# Altium PCB SensoMonitor.PcbDoc (continued)
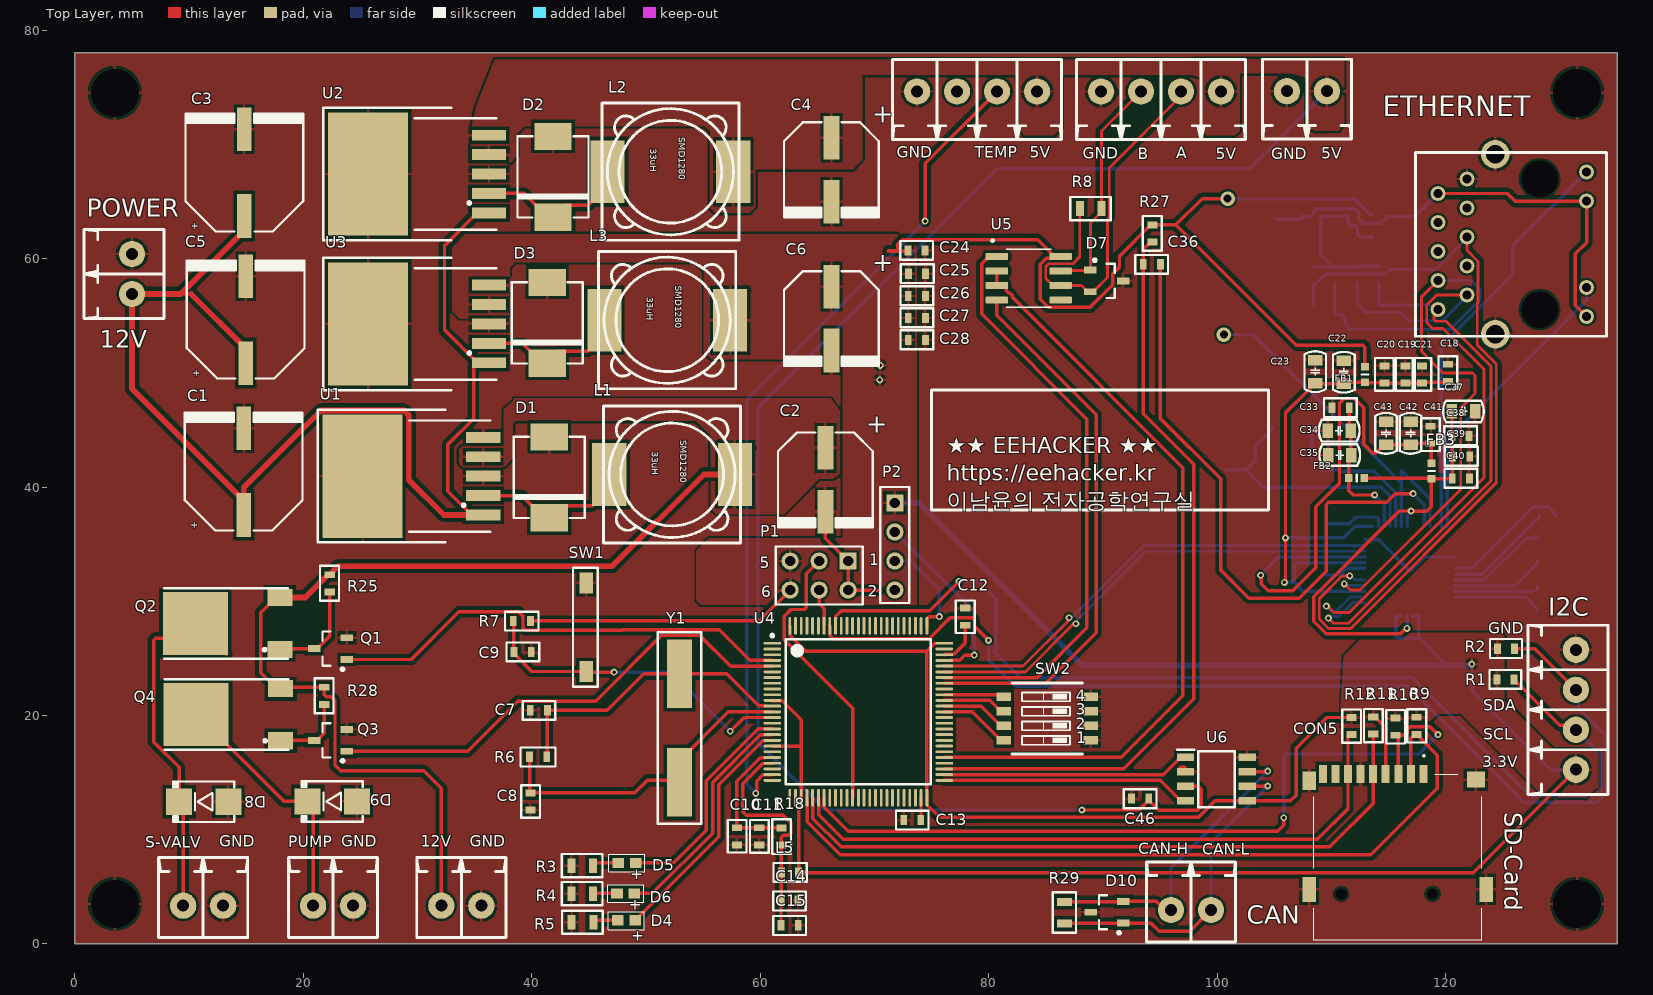
[diagram p0: Top Layer view]
## Footprints (in the part's own frame and the unit in brackets; to place one, negate y for a bottom-side part, rotate by r counter-clockwise, add the part's x,y. Pads: shape width x height; smd on the part's side, far side on the other; paste and mask are expansions set on the pad) (continued)
  oval 0.25x1.55 smd: 26(-6,-7.525) 27(-5.5,-7.525) 28(-5,-7.525) 29(-4.5,-7.525) 30(-4,-7.525) 31(-3.5,-7.525) 32(-3,-7.525) 33(-2.5,-7.525) 34(-2,-7.525) 35(-1.5,-7.525) 36(-1,-7.525) 37(-0.5,-7.525) 38(0,-7.525) 39(0.5,-7.525) 40(1,-7.525) 41(1.5,-7.525) 42(2,-7.525) 43(2.5,-7.525) 44(3,-7.525) 45(3.5,-7.525) 46(4,-7.525) 47(4.5,-7.525) 48(5,-7.525) 49(5.5,-7.525) 50(6,-7.525) 76(6,7.525) 77(5.5,7.525) 78(5,7.525) 79(4.5,7.525) 80(4,7.525) 81(3.5,7.525) 82(3,7.525) 83(2.5,7.525) 84(2,7.525) 85(1.5,7.525) 86(1,7.525) 87(0.5,7.525) 88(0,7.525) 89(-0.5,7.525) 90(-1,7.525) 91(-1.5,7.525) 92(-2,7.525) 93(-2.5,7.525) 94(-3,7.525) 95(-3.5,7.525) 96(-4,7.525) 97(-4.5,7.525) 98(-5,7.525) 99(-5.5,7.525) 100(-6,7.525)
  silkscreen extent -7.65,-6.35 6.35,6.8, body extent -7,-7 7,7, height 1.6
SW_TACT1 [mm]
  rect 1.8x1.2 smd: 1(-3.875,0) 2(3.875,0)
  silkscreen extent -5.21,-1.02 5.21,1.14, body extent -3.81,-1.65 3.81,1.78, height 2.55
XTAL_SMD_8M [mm]
  rect 6x2.2 smd: 1(-4.75,0) 2(4.75,0)
  silkscreen extent -8.38,-1.91 8.38,1.91, body extent -6.15,-2.32 6.15,2.38, height 4.36

## Part data
5V 12V POWER: library part CON2P_ECH350V, "Connector, Terminal block 2p_ECH350V"
C1 C3 C5: library part Cap470u_25V, "Capacitor, 470uF / 25V / 10PI / SMD, 10mm", PackageReference=CAPR5-4X5, Published=23-Sep-2002, Publisher="Altium Limited"
C2 C4 C6: library part Cap470u_16V, "Capacitor, 470uF / 25V / 8PI / SMD, 8mm", PackageReference=CAPR5-4X5, Published=23-Sep-2002, Publisher="Altium Limited"
C7 C8: library part CAP22p_0603_ceramic
C9 C11 C15: library part CAP0.1u_0603_ceramic
C10 C14: library part CAP1u_0603_ceramic
C12 C13: library part CAP2.2u_0603, "CAP2.2u_0603"
C16: library part CAP2.2u_0603, "CAP4.7u_0603"
C17: library part CAP2.2u_0603, "CAP22n_0603"
C18 C19 C20 C21 C24 C25 C26 C27 C28 C33 C36 C38 C39 C40 C41 C46: library part CAP0.1u_0603_ceramic, "cap, 0.1u 0603, 50V"
C22 C34 C37 C42: library part Cap1_1, "Capacitor, ceramic, 50V, 0805"
C23 C35 C43: library part Cap1_1, "Capacitor, ceramic, 50V, 1206"
C29 C30 C31 C32: library part CAP2.2u_0603, "CAP15pF_0603"
C44 C45: library part CAP33p_0603, "CAP33p_0603,ceramic"
CAN GND GND: library part CON2P_ECH350V, "Header box, Header2x1_ECH350V"
CON1 CON4 I2C: library part CON4P_ECH350V, "Connector, Terminal block 4p_ECH350V"
CON5: "MicroSD Card Connector"
D1 D2 D3: library part DIODE_SK56C, "Schottky Barrier Rectifier SK56C"
D4: library part LED0603_BLUE
D5 D6: library part LED0603_GREEN
D7 D10: "SM712 Series 600W Asymmetrical TVS Diode Array"
D8 D9: "Schottky Barrier Rectifiers"
ETHERNET: library part [RJ45]24G-1835GYD2NL, "[RJ-45] 24G-1835GYD2NL"
FB1 FB2 FB3: "Ferrite Bead, BLM18PG221SN1D, 0603", Manufacturer_Name="Murata Electronics", Mouser Part Number=81-BLM18PG221SN1D, Arrow Part Number=BLM18PG221SN1D, Arrow Price/Stock=https://www.arrow.com/en/products/blm18pg221sn1d/murata-manufacturing?region=europe, Datasheet Link=http://www.murata.com/~/media/webrenewal/support/library/catalog/products/emc/emifil/c31e.ashx?la=en-gb, Height=0.95mm, Manufacturer_Part_Number=BLM18PG221SN1D, Mouser Price/Stock=https://www.mouser.co.uk/ProductDetail/Murata-Electronics/BLM18PG221SN1D?qs=uSeJpk%2F8In3JS43lpC2ejg%3D%3D
IC1: "Integrated Circuit, LAN9500AI-ABZJ, Microchip", Manufacturer_Name=Microchip, Mouser Part Number=886-LAN9500AI-ABZJ, Arrow Part Number=LAN9500AI-ABZJ, Arrow Price/Stock=https://www.arrow.com/en/products/lan9500ai-abzj/microchip-technology?region=europe, Datasheet Link=https://componentsearchengine.com/Datasheets/1/LAN9500AI-ABZJ.pdf, Height=1mm, Manufacturer_Part_Number=LAN9500AI-ABZJ, Mouser Price/Stock=https://www.mouser.co.uk/ProductDetail/Microchip-Technology/LAN9500AI-ABZJ?qs=pA5MXup5wxF%2F3MeNLOF5Rg%3D%3D
L1 L2 L3: library part IND33uCoil, "12.5mmX12.5mmX8.0mm smd Inductor, Hanam electornic."
L4: library part IND10uCoil, "10uH(2012)"
L5: library part FerriteBD1608_102, "FCM1608KF-102T02, 200mA 1 700mΩ 1kΩ@100MHz ±25% 0603 Ferrite Beads ROHS", Manufacturer="Tai Tech", Manufacturer Part Number=FCM1608KF-102T02, Supplier Part Number 1=4816-FCM1608KF-102T02CT-ND, Category="Ferrite Beads and Chips", Pricing 1="1=0.1, 10=0.025, 25=0.0224, 50=0.0202, 100=0.0182, 250=0.01332, 500=0.0097, 1000=0.00949 (USD)", RoHS=No, Stock 1=15000, Supplier 1=Digikey
P1: library part HEADER3X2, "header 3x2"
P2: library part HEADER4X1
Q1 Q3: library part NPN_KRC105S
Q2 Q4: library part P-MOSFET_AOD417
R1 R2: library part RES4.7k_0603
R3 R4 R5: library part RES1K_0805, "resistor 1k 0805"
R6: library part RES10M_0603
R7 R9 R10 R11 R12: library part RES10K_0603
R8 R29: library part RES120_0805
R13: library part RES20K, "RES10_0603"
R14 R15 R16 R17: library part RES20K, "RES49.9_0603"
R18: library part RES47_0603, "RES47_0603"
R19 R20 R21 R22 R23 R27: library part RES20K, "RES10K_0603"
R24 R26: library part RES20K, "RES12K_0603,1%"
R25 R28: "RES20K_0603"
SW1: library part SW_TACT1, "NW3-A06-B3"
SW2: "Switch"
U1 U2 U3: "LM2596 SIMPLE SWITCHER® Power Converter 150-kHz  3-A Step-Down Voltage Regulator"
U4: library part CMP-0243-00034-2, "ARM Cortex-M4 32-bit MCU+FPU, 210 DMIPS, 1024 kB Flash, 192 kB Internal RAM, 82 I/Os, 100-pin LQFP, -40 to 85 degC, Tray", I/Os (High Current)=82, Manufacturer=STMicroelectronics, Operating Frequency(F) (Processor speed) (MHz)=168, Supply Voltage(Vcc) max (V)=3.6, Supply Voltage(Vcc) min (V)=1.8, ComponentLink1Description="Manufacturer URL", ComponentLink1URL=http://www.st.com/web/en/home.html, ComponentLink2Description=Datasheet, ComponentLink2URL=http://www.st.com/st-web-ui/static/active/en/resource/technical/document/datasheet/DM00037051.pdf, ComponentLink3Description="Package Specification", ComponentLink3URL=http://www.st.com/st-web-ui/static/active/en/resource/technical/document/data_brief/DM00071938.pdf, Core="ARM Cortex-M4", D/A Converter=2x12-bit, DatasheetVersion="Rev. 4", FLASH Size (Prog) (kB)=1024, Internal RAM Size (kB)=192, Mounting Technology="Surface Mount", PackageDescription="100-Pin Low Profile Quad Flat Package, 14 x 14 mm Body, 0.5 mm Pitch", PackageReference=LQFP100, PackageVersion="Rev. 1, 06/2013", Packing=Tray, PartNumber=STM32F407VGT6J
U5: library part RS485_Transciver_SN65HVD12DR
U6: library part [CAN]MCP2562, "CAN Transceiver, SOIC127P600X175-8N, MCP2562-E/SN"
Y1 Y2: library part XTAL8M

## Free pads (board coordinates)
  round 1.524 hole 4.2: 4(3.5,3.5) 5(3.5,74.5) 6(131.5,74.5) 7(131.5,3.5)

## Via types
v1: diameter 0.6, hole 0.3, Top Layer to Bottom Layer, 29 vias
v2: diameter 1.27, hole 0.711, Top Layer to Bottom Layer, 2 vias

## Nets (pads, with @x,y where several pads share a name; then routed paths per layer and width w, separated by ;. In a path a pad name is that pad's centre, name@x,y a point inside that pad or via, vN(x,y) a via of type N, cw(c..) or ccw(c..) an arc to the next point about the centre after c; other vN are vias at no path point)
3V3: C6.1 C24.2 C25.2 C26.2 C27.2 C28.2 CON5.4 FB1.1 I2C.1 IC1.20 IC1.25 IC1.35 IC1.48 IC1.49 IC1.51 IC1.52 L3.1 L4.2 L5.1 P1.5 P1.6 P2.1 R1.2 R2.2 R7.2 R9.2 R10.2 R11.2 R12.2 R19.2 R20.2 R21.2 R22.2 R23.2 R27.1 U3.4 U4.11 U4.19 U4.28 U4.50 U4.75 U4.100 U5.8 U6.5 | length 403.7
  Top Layer w0.3: U3.4 U3.4@37.275,55.975 ; R7.2 59.905,28.275 P1.6 ; L3.1 57.35,55.85 L3.1@58.7,57.2 ; U4.19 63.56,17.32 63.58,17.3 ; U4.11 61.08,21.295 61.902,21.295 63.58,19.617 63.58,17.3 ; U4.100 62.605,27.82 62.605,26.998 63.987,25.617 74.58,25.617 ; C24.2 72.875,60.65 71.175,60.65 71.225,60.7 71.899,60.7 72.025,60.826 72.025,61.245 72.43,61.65 84.27,61.65 85.459,60.461 85.459,60.33 85.609,60.18 U5.8 86.144,60.03 85.042,60.03 84.509,59.497 84.509,56.419 85.208,55.72 88.859,55.72 90.856,57.717 90.856,58.674 91.444,59.262 91.444,60.219 94.175,62.95 R27.1 96.375,62.95 ; 75.283,26.32 74.58,25.617 ; v2(100.9,65.25) 98.675,65.25 96.375,62.95 ; R12.2 109.575,19.825 106.9,17.15 106.9,13.025 106.395,12.52 U6.5 99.802,12.52 98.357,11.075 75.7,11.075 74.58,12.195 U4.50 74.58,25.617 ; FB1.1 112.925,52.224 112.749,52.4 106.925,52.4 96.375,62.95 ; R11.2@113.625,19.85 R11.2 113.8,19.875 114.745,18.93 CON5.4 ; R10.2@115.45,19.775 R10.2 R10.2@115.75,19.775 ; R9.2@117.3,19.85 R9.2 ; I2C.1 122.399,6.249 L5.1 63.35,11.743 63.555,11.948 63.555,12.77 U4.28 63.58,17.3
  Bottom Layer w0.3: v2(100.575,53.35) 103.128,53.35 116.125,40.353 ; v2(100.9,65.25) 112.013,65.25 113.372,63.891 L4.2 ; IC1.51 IC1.52 115.625,26.975 115.85,26.75 117.683,26.75 ; IC1.20 116.125,40.353 ; IC1.49 IC1.48 117.625,26.85 119.975,24.5 ; IC1.25 118.625,38.958 116.125,41.458 116.125,40.353 ; 120.005,24.5 v1(122.275,24.5) ; IC1.35 122.279,32.875 127.675,38.271 128.979,38.271 129.629,37.621 R23.2 ; v1@122.319,24.375 122.332,24.361 122.332,22.118 129.2,15.25 I2C.1
  Bottom Layer w0.5: P2.1 73.945,38.605 88.175,24.375 122.123,24.375 122.229,24.481 v1@122.248,24.481
  other v1: 70.45,49.375 70.5,50.65
3V3_RJ45: C17.2 ETHERNET.L1 ETHERNET.L3 ETHERNET.R9 R13.2 | length 41.1
  Top Layer w0.3: ETHERNET.R9 125.389,65.695 126.069,65.015 132.31,65.015 ETHERNET.L3 132.33,61.408 131.33,60.408 131.33,55.925 ETHERNET.L1
  Bottom Layer w0.3: C17.2 107.45,63.425 R13.2 ; R13.2@107.404,63.725 107.554,63.575 107.554,63.679 108.228,63.679 108.404,63.855 108.404,64.124 108.655,64.375 112.045,64.375 112.407,64.012 112.407,63.446 112.77,63.084 114.33,63.084 114.925,63.679 117.304,63.679 ETHERNET.R9
3V3A: C16.2 L4.1 R13.1 R14.1 R15.1 R16.1 R17.1 | length 16.8
  Bottom Layer w0.3: R17.1 108.413,59.263 110.263,59.263 R16.1 R16.1@110.288,59.287 ; L4.1 112.516,61.859 112.28,62.095 112.28,62.639 112.045,62.875 111.626,62.875 111.45,63.051 C16.2 109.204,63.725 109.054,63.575 R13.1 109.054,60.346 110.113,59.287 R16.1@110.288,59.287 ; R14.1 114.163,59.313 112.263,59.313 R15.1 112.237,59.287 R16.1@110.288,59.287
5V: 5V.1 C4.1 C46.2 CON1.1 CON4.1 L2.1 U2.4 U6.3 | length 137.1
  Top Layer w0.3: L2.1 L2.1@57.625,68.85 ; v1(88.15,11.725) 93.15,11.725 C46.2@94,12.575 ; C46.2 C46.2@94,12.575 ; U6.3 98.335,13.79 98.6,13.525 98.6,12.025 98.275,11.7 94.875,11.7 C46.2@94,12.575
  Bottom Layer w0.3: v1(88.15,11.725) 65.675,11.725 59.796,17.604 59.796,46.921 80.75,67.875 102.825,67.875 5V.1
12V: 12V.1 C2.1 L1.1 Q2.S Q4.S R25.1 R28.1 U1.4 | length 92
  Top Layer w0.3: Q2.S 17.6,30.335 16.275,29.01 16.275,23.735 17.65,22.36 Q4.S 18.115,22.475 R28.1 21.825,21.801 22.001,21.625 22.42,21.625 22.766,21.279 22.766,15.66 23.258,15.167 30.533,15.167 32.075,13.625 12V.1 ; R25.1@22.15,32.325 22.45,32.325 22.6,32.475 22.6,32.625 ; U1.4 U1.4@36.775,42.65 ; L1.1@56.425,43.7 57.775,42.35 L1.1@57.775,42.075 ; L1.1 L1.1@57.775,42.075 ; L1.1@59.125,43.425 L1.1@57.775,42.075
  Top Layer w0.5: Q2.S 20.16,30.335 R25.1@22.15,32.325 ; 22.6,32.625 23.05,33.075 47.045,33.075 55.07,41.1 L1.1
BOOT0: P1.4 U4.94 | length 3.3
  Top Layer w0.3: P1.4 65.15,29.765 65.58,29.335 U4.94
BOOT1: P1.3 U4.37 | length 25.2
  Top Layer w0.3: P1.3 64.025,32.395 64.025,29.451 63.849,29.275 62.688,29.275 62.105,28.692 62.105,28.03 62.08,28.005 62.08,26.617 68.08,20.617 U4.37
CAN2_RX: U4.51 U6.4 | length 21.9
  Top Layer w0.3: U4.51 95,14.32 96.8,12.52 U6.4
CAN2_TX: U4.52 U6.1 | length 21.7
  Top Layer w0.3: U4.52 95.29,14.82 96.8,16.33 U6.1
CAN-H: CAN.1 D10.2 R29.2 U6.7 | length 27.1
  Top Layer w0.3: R29.2 86.646,3.704 91.76,3.704 D10.2 94.659,3.725 95.409,2.975 CAN.1 ; U6.7 102.657,15.092 104.393,15.092 v1(104.425,15.125)
  Bottom Layer w0.3: CAN.1 95.95,6.65 v1(104.425,15.125)
CAN-L: CAN.2 D10.1 R29.1 U6.6 | length 28.6
  Top Layer w0.3: R29.1 86.646,1.804 91.76,1.804 D10.1 94.201,1.825 94.926,1.1 97.575,1.1 CAN.2 ; U6.6 102.642,13.808 104.408,13.808 v1(104.425,13.825)
  Bottom Layer w0.3: CAN.2 99.45,8.85 v1(104.425,13.825)
DIR: U4.55 U5.2 U5.3 | length 67.5
  Top Layer w0.3: U4.55 76.13,16.345 91.595,16.345 96.975,21.725 96.975,41.7 82.041,56.634 82.041,56.771 81.792,57.02 81.715,57.02 81.539,57.196 81.539,57.49 81.389,57.64 U5.3 U5.2
ETH_RESET: C36.1 R27.2 U4.53 | length 66.6
  Top Layer w0.3: U4.53 91.82,15.32 97.95,21.45 97.95,42 93.525,46.425 C36.1 93.525,60.8 94.175,61.45 R27.2
GND: 5V.2 12V.2 C1.2 C2.2 C3.2 C4.2 C5.2 C6.2 C7.1 C8.1 C9.1 C10.1 C11.1 C12.1 C13.1 C14.2 C15.2 C16.1 C17.1 C18.1 C19.1 C20.1 C21.1 C22.2 C23.2 C24.1 C25.1 C26.1 C27.1 C28.1 C29.1 C30.1 C31.1 C32.1 C33.1 C34.2 C35.2 C37.2 C38.1 C39.1 C40.1 C41.1 C42.2 C43.2 C44.1 C45.1 C46.1 CON1.4 CON4.4 CON5.6 CON5.MP1 CON5.MP2 CON5.MP3 CON5.MP4 D1.1 D2.1 D3.1 D7.3 D8.A D9.A D10.3 ETHERNET.R10 ETHERNET.S GND.2 I2C.4 IC1.13 IC1.33 IC1.57 P1.1 P1.2 P2.4 pad.4 pad.5 pad.6 pad.7 POWER.2 Q1.E Q3.E R3.1 R4.1 R5.1 R24.1 R26.1 SW1.2 SW2.1 SW2.2 SW2.3 SW2.4 U1.3 U1.5 U2.3 U2.5 U3.3 U3.5 U4.10 U4.20 U4.27 U4.74 U4.99 U5.5 U6.2 U6.8 | length 20.4
  Top Layer w0.3: C2.2 65.7,35.51 P1.1 P1.2 67.712,30.957 70.377,30.957 70.4,30.935 ; 96.75,15.455 97.175,15.455
  Bottom Layer w0.3: IC1.13 114.125,35.375 IC1.57 118.125,33.875 IC1.33
I2C1_SCL: I2C.2 R1.1 U4.92 | length 92.7
  Top Layer w0.3: U4.92@66.605,28.47 66.605,28.692 67.088,29.175 74.825,29.175 v1(77.4,31.75) ; R1.1 125.975,23 126.125,22.85 126.275,22.85 129.992,19.133 131.017,19.133 I2C.2
  Bottom Layer w0.3: v1(77.4,31.75) 79.075,31.75 80.625,30.2 80.625,25.45 82.775,23.3 117.1,23.3 127.425,12.975 133.075,12.975 133.55,13.45 133.55,16.6 I2C.2
I2C1_SDA: I2C.3 R2.1 U4.93 | length 95
  Top Layer w0.3: U4.93 66.105,27.82 66.105,26.998 66.383,26.72 74.777,26.72 76.607,28.55 78.545,28.55 78.75,28.345 78.75,27.8 v1(79.975,26.575) ; R2.1 127.8,25.85 I2C.3
  Bottom Layer w0.3: v1(79.975,26.575) 79.975,24.875 82.3,22.55 116.7,22.55 126.85,12.4 133.207,12.4 134.05,13.243 134.05,18.221 131.621,20.65 131.621,22.029 I2C.3
ID1: SW2.8 U4.63 | length 6.2
  Top Layer w0.3: U4.63 78.555,20.32 81.05,17.825 SW2.8
ID2: SW2.7 U4.64 | length 5.9
  Top Layer w0.3: U4.64 79.325,20.82 81.05,19.095 SW2.7
ID3: SW2.6 U4.65 | length 5.6
  Top Layer w0.3: U4.65 80.095,21.32 81.05,20.365 SW2.6
ID4: SW2.5 U4.66 | length 5.3
  Top Layer w0.3: U4.66 81.12,21.82 SW2.5
LED_LINK: ETHERNET.L4 IC1.27 | length 36.3
  Bottom Layer w0.3: IC1.27 119.625,52.353 125.882,58.61 125.882,61.127 ETHERNET.L4
LED_RDY: D5.A U4.16 | length 19.4
  Top Layer w0.3: D5.A 52.425,7.1 55.275,9.95 55.275,14.289 59.486,18.5 59.806,18.82 U4.16
LED_RX: D4.A U4.18 | length 20.6
  Top Layer w0.3: D4.A 49.098,2.075 49.393,2.37 49.393,2.433 56.35,9.39 56.35,13.95 60.195,17.795 U4.18@60.43,17.795
LED_SPD: ETHERNET.L2 IC1.28 | length 25.9
  Bottom Layer w0.3: IC1.28 120.125,44.134 132.33,56.339 ETHERNET.L2
LED_TX: D6.A U4.17 | length 20.4
  Top Layer w0.3: D6.A 50.55,4.425 55.825,9.7 55.825,14.132 59.988,18.295 60.43,18.295 60.455,18.32 U4.17
NetC7_2: C7.2 R6.2 U4.12 Y1.2 | length 25.7
  Top Layer w0.3: R6.2 41.333,16.407 41.333,20.427 C7.2 46.61,20.46 49.8,23.65 Y1.2 57.05,23.65 59.855,20.845 U4.12@60.43,20.845
NetC8_2: C8.2 R6.1 U4.13 Y1.1 | length 28.6
  Top Layer w0.3: R6.1 39.8,13.3 C8.2 49.025,13.225 50.125,14.325 52.75,14.325 Y1.1 52.925,16.05 57.195,20.32 U4.13
NetC12_2: C12.2 U4.73 | length 3.8
  Top Layer w0.3: U4.73 76.13,25.345 76.952,25.345 77.95,26.343 C12.2
NetC13_2: C13.2 U4.49 | length 2
  Top Layer w0.3: C13.2 74.065,10.865 74.065,12.78 U4.49
NetC14_1: C14.1 C15.1 L5.2 R18.1 U4.22 | length 20
  Top Layer w0.3: U4.22 61.03,15.795 60.208,15.795 58.45,14.037 58.45,11.575 58.775,11.25 61.995,11.25 62.65,10.595 62.65,9.705 62.445,9.5 62.026,9.5 61.85,9.324 R18.1 L5.2 61.825,6.224 61.825,3.8 C14.1 61.813,3.762 61.813,1.637 C15.1
NetC36_2: C36.2 IC1.24 | length 57.3
  Top Layer w0.3: C36.2 95.025,46 100.315,40.71 100.315,32.735 102.775,30.275 107.175,30.275 109.525,32.625 109.525,38.449 109.726,38.65 114.825,38.65 115.575,39.4 117.125,39.4 v1(117.15,39.425)
  Bottom Layer w0.3: v1(117.15,39.425) 118.125,38.45 IC1.24
NetC44_2: C44.2 IC1.18 Y2.1 | length 22.7
  Bottom Layer w0.3: Y2.1@100.733,41.5 Y2.1@102.483,41.5 ; C44.2 104.8,45.075 103.333,43.608 103.333,42.35 Y2.1@102.483,41.5 ; IC1.18 115.125,39.225 114.375,39.975 104.008,39.975 Y2.1@102.483,41.5
NetC45_2: C45.2 IC1.19 Y2.2 | length 14.3
  Bottom Layer w0.3: C45.2 108.275,42.35 109.125,41.5 110.733,41.5 110.865,41.368 113.757,41.368 115.625,39.5 IC1.19
NetCON6_1: D8.K GND.1@9.475,3.35 Q2.D | length 28.7
  Top Layer w0.3: GND.1@9.475,3.35 9.475,12.091 D8.K 9.116,15.464 6.9,17.68 6.9,26.601 7.076,26.776 9.276,26.776 Q2.D ; Q2.D@13.25,25.35 Q2.D@13.25,25.45
NetCON8_1: D9.K GND.1@20.85,3.35 Q4.D | length 22.7
  Top Layer w0.3: Q4.D@10.924,19.751 Q4.D 10.7,20.075 18.3,12.475 D9.K 20.85,11.991 GND.1@20.85,3.35
NetD1_2: D1.2 L1.2 U1.2 | length 14.1
  Top Layer w0.3: U1.2 39.138,39.25 41.078,37.31 D1.2 42.567,38.352 45.277,38.352 46.775,39.85 L1.2
NetD2_2: D2.2 L2.2 U2.2 | length 13.6
  Top Layer w0.3: U2.2 39.313,65.7 41.403,63.61 D2.2 42.891,64.652 44.927,64.652 46.625,66.35 L2.2
NetD3_2: D3.2 L3.2 U3.2 | length 13.1
  Top Layer w0.3: U3.2 39.163,52.575 40.903,50.835 D3.2 42.392,51.877 44.876,51.877 46.35,53.35 L3.2
NetD4_K: D4.K R5.2 | length 2.2
  Top Layer w0.3: R5.2 45.55,2.075 D4.K
NetD5_K: D5.K R3.2 | length 2.3
  Top Layer w0.3: R3.2 45.35,6.9 45.55,7.1 D5.K
NetD6_K: D6.K R4.2 | length 2.1
  Top Layer w0.3: R4.2 45.375,4.425 D6.K
NetIC1_8: IC1.8 R26.2 | length 3.9
  Bottom Layer w0.3: R26.2 110.738,32.3 111.313,32.875 IC1.8
NetIC1_16: IC1.16 R24.2 | length 5.4
  Bottom Layer w0.3: R24.2 111.572,36.775 112.172,37.375 113.92,37.375 114.125,37.17 IC1.16
NetIC1_36: IC1.36 R23.1 | length 9.5
  Bottom Layer w0.3: IC1.36 123.183,32.375 128.129,37.321 R23.1
NetIC1_37: IC1.37 R22.1 | length 8.7
  Bottom Layer w0.3: IC1.37 123.39,31.875 127.036,35.521 R22.1
NetIC1_38: IC1.38 R21.1 | length 8.2
  Bottom Layer w0.3: IC1.38 126.083,31.375 128.054,33.346 R21.1
NetIC1_39: IC1.39 R20.1 | length 7.5
  Bottom Layer w0.3: IC1.39 127.708,30.875 128.004,31.171 R20.1
NetIC1_40: IC1.40 R19.1 | length 7.7
  Bottom Layer w0.3: IC1.40 127,30.375 127.979,29.396 R19.1
NetP2_2: P2.2 U4.72 | length 15.8
  Top Layer w0.3: U4.72@76.73,24.845 77.469,24.845 77.904,25.28 v1(78.725,25.28)
  Bottom Layer w0.3: P2.2 78.725,29.115 v1(78.725,25.28)
NetP2_3: P2.3 U4.76 | length 9.1
  Top Layer w0.3: U4.76 74.58,28.474 74.756,28.65 v1(75.675,28.65)
  Bottom Layer w0.3: P2.3 73.15,33.525 75.675,31 v1(75.675,28.65)
NetQ1_C: Q1.C Q2.G R25.2 | length 8.7
  Top Layer w0.3: Q2.G 18.035,25.85 Q1.C 21.194,25.85 22.3,26.956 R25.2
NetQ3_C: Q3.C Q4.G R28.2 | length 6.6
  Top Layer w0.3: Q4.G 18.035,17.825 Q3.C 21.194,17.825 21.825,18.456 R28.2
NRST: C9.2 R7.1 SW1.1 U4.14 | length 28.8
  Top Layer w0.3: R7.1 38.413,28.238 38.413,25.587 C9.2 38.45,25.4 40,23.85 SW1.1 44.8,23.8 v1(47.2,23.8) ; v1(57.367,18.617) 58.57,19.82 U4.14
  Bottom Layer w0.3: v1(47.2,23.8) 52.184,23.8 v1(57.367,18.617)
PUMP: Q3.B U4.5 | length 42.6
  Top Layer w0.3: Q3.B 34.398,16.875 38.783,21.26 45.579,21.26 51.319,27 54.715,27 57.395,24.32 U4.5
RD_N: C32.2 ETHERNET.R6 IC1.6 R17.2 | length 67.6
  Top Layer w0.25: v1(111.6,32.225) 111.589,32.214 110.925,32.214 108.925,30.214 108.925,28.441 109.741,27.625 111.68,27.625 124.423,40.368 124.423,50.757 122.755,52.425 122.755,56.047 122.835,56.127 122.835,59.749 121.86,60.724 ETHERNET.R6
  Bottom Layer w0.25: C32.2 108.425,57.725 R17.2 108.55,57.75 109.45,58.65 114.71,58.65 115.11,59.05 119.134,59.05 121.86,61.776 ETHERNET.R6 ; v1(111.6,32.225) 111.695,32.225 112.045,31.875 IC1.6
RD_P: C31.2 ETHERNET.R3 IC1.5 R16.2 | length 60.9
  Top Layer w0.25: v1(111.12,31.525) 111.67,30.975 112.5,30.975 121.316,39.791 121.316,46.927 122.575,48.186 122.575,49.735 122.335,49.975 119.765,49.975 118.855,50.885 118.855,50.91 117.895,51.871 117.895,56.65 ETHERNET.R3
  Bottom Layer w0.25: R16.2 C31.2 110.275,55.275 110.47,55.08 110.855,55.08 111.248,54.687 111.248,54.193 111.64,53.8 120.4,53.8 123.025,56.425 123.025,57.3 122.25,58.075 ETHERNET.R3 ; v1(111.12,31.525) 111.27,31.375 IC1.5
RS485_N: CON4.3 D7.1 R8.1 U5.7 | length 20.2
  Top Layer w0.25: U5.7 86.339,58.955 88.849,58.955 D7.1 88.894,63.103 89.866,64.075 R8.1 89.866,71.166 CON4.3 ; 90.875,74.486 90.875,74.625
RS485_P: CON4.2 D7.2 R8.2 U5.6 | length 33.7
  Top Layer w0.25: R8.2 87.966,60.151 87.36,59.545 85.228,59.545 84.984,59.301 84.984,58.265 85.609,57.64 U5.6 88.104,57.64 D7.2@88.644,57.1 ; D7.2 89.144,57.1 90.381,58.337 90.381,63.43 90.541,63.59 90.541,67.941 96.825,74.225 CON4.2
RX1: U4.69 U5.1 | length 51.5
  Top Layer w0.3: U4.69 84.22,23.32 88.575,27.675 88.575,45.95 79.371,55.154 79.371,59.53 80.021,60.18 U5.1
SOL-VAVE: Q1.B U4.4 | length 41.3
  Top Layer w0.3: Q1.B 29.425,24.9 33.6,29.075 38.82,29.075 39.225,28.67 39.225,27.68 39.43,27.475 47.903,27.475 47.928,27.5 56.4,27.5 59.08,24.82 U4.4
SPI1_MISO: CON5.7 R12.1 U4.31 | length 56.5
  Top Layer w0.3: U4.31 65.105,12.77 65.105,11.32 67.275,9.15 108.743,9.15 111.445,11.852 CON5.7 111.445,18.17 111.6,18.325 R12.1
SPI1_MOSI: CON5.3 R10.1 U4.32 | length 70.7
  Top Layer w0.3: U4.32 65.605,12.77 65.605,11.948 67.703,9.85 105.3,9.85 105.825,10.375 v1(105.825,11.05) ; R10.1@115.45,18.275 R10.1 R10.1@115.695,18.275 ; CON5.3 115.845,18.125 R10.1@115.695,18.275 ; v1(119.325,18.325) 118.625,19.025 116.88,19.025 116.65,18.795 116.65,18.451 116.474,18.275 R10.1@115.695,18.275
  Bottom Layer w0.3: v1(105.825,11.05) 105.825,16.449 106.001,16.625 117.625,16.625 v1(119.325,18.325)
SPI1_NSS: CON5.2 R9.1 U4.29 | length 70.2
  Top Layer w0.3: U4.29 64.105,12.77 64.105,10.695 67,7.8 113.45,7.8 119.275,13.625 119.275,16.525 117.75,18.05 117.75,18.2 117.6,18.35 R9.1 117.3,18.35 116.945,17.995 CON5.2
SPI1_SCK: CON5.5 R11.1 U4.30 | length 59.6
  Top Layer w0.3: U4.30 64.605,12.77 64.605,10.97 67.075,8.5 109.85,8.5 113.645,12.295 CON5.5 113.645,18.37 R11.1
TD_N: C30.2 ETHERNET.R2 IC1.3 R15.2 | length 57.7
  Top Layer w0.25: v1(109.55,29.575) 109.645,29.575 110.22,29 111.535,29 123.348,40.814 123.348,50.311 119.775,53.885 118.858,53.885 118.345,54.398 118.345,55.939 119.211,56.805 ETHERNET.R2
  Bottom Layer w0.25: v1(109.55,29.575) 109.55,29.536 109.921,29.165 110.448,29.165 111.658,30.375 IC1.3 ; C30.2 112.375,55.925 113,55.3 115.992,55.3 116.732,54.56 119.724,54.56 121.86,56.696 ETHERNET.R2 ; C30.2@112.25,55.95 R15.2
TD_P: C29.2 ETHERNET.R1 IC1.2 R14.2 | length 48.3
  Top Layer w0.25: v1(109.725,28.525) 110.175,28.075 111.494,28.075 123.973,40.555 123.973,50.57 120.034,54.51 119.116,54.51 118.97,54.656 118.97,54.901 119.32,55.251 ETHERNET.R1
  Bottom Layer w0.25: v1(109.725,28.525) 109.82,28.525 109.96,28.665 110.655,28.665 111.865,29.875 IC1.2 ; R14.2 C29.2 118.646,55.925 119.036,55.535 ETHERNET.R1
TEMPERATURE: CON1.2 U4.24 | length 73.6
  Top Layer w0.3: v1(59.6,13.175) 59.673,13.248 59.673,14.26 60.208,14.795 61.03,14.795 U4.24 ; v1(74.425,63.275) 74.425,68.325 CON1.2
  Bottom Layer w0.3: v1(59.6,13.175) 58.8,13.975 58.8,47.65 v1(74.425,63.275)
TX1: U4.68 U5.4 | length 47.9
  Top Layer w0.3: U4.68 84.97,22.82 89.4,27.25 89.4,46.325 80.706,55.019 U5.4
USB_N: IC1.11 U4.70 | length 41.3
  Top Layer w0.25: U4.70 83.213,23.82 87.35,27.957 87.561,27.957 v1(87.628,28.024)
  Bottom Layer w0.25: v1(87.628,28.024) 87.695,28.091 87.695,28.302 93.768,34.375 IC1.11
USB_P: IC1.12 U4.71 | length 41.3
  Top Layer w0.25: U4.71 83.006,24.32 86.958,28.272 86.958,28.483 v1(87.025,28.55)
  Bottom Layer w0.25: v1(87.025,28.55) 87.092,28.617 87.303,28.617 93.561,34.875 IC1.12
VDD3V3A: C18.2 C19.2 C20.2 C21.2 C22.1 C23.1 FB1.2 IC1.4 IC1.9 IC1.15 | length 53.7
  Top Layer w0.3: v1(105.875,31.65) 105.875,31.731 105.975,31.831 v1(105.975,35.55) 105.975,46.484 108.09,48.599 108.09,48.777 108.397,49.084 C23.1 108.625,49.034 C22.1 111.216,49.175 FB1.2 112.962,49.137 114.612,49.137 C20.2 C19.2 C21.2 118,49.175 120.125,49.175 C18.2 C18.2@120.212,49.262
  Bottom Layer w0.3: v1(105.875,31.65) 106.725,31.65 ; v1(105.975,35.55) 111.055,35.55 112.08,36.575 IC1.15 ; IC1.4 107.5,30.875 106.725,31.65 ; IC1.9 106.901,33.375 106.725,33.199 106.725,31.65
VDDCORE: C37.1 C38.2 C39.2 C40.2 FB2.1 FB3.1 IC1.21 IC1.50 | length 43.1
  Top Layer w0.3: FB2.1 112.9,40.75 118.575,40.75 FB3.1@118.663,40.662 ; v1(116.6,27.625) 116.519,27.625 116.044,27.15 109.544,27.15 108.45,28.244 108.45,30.411 115.939,37.9 v1(116.975,37.9) 117,37.875 118.344,37.875 118.75,38.281 FB3.1 120.55,40.725 C40.2 120.587,40.762 120.587,42.662 C39.2 120.575,42.7 120.575,44.45 C38.2 120.55,46.609 C37.1
  Bottom Layer w0.3: v1(116.6,27.625) 116.625,27.65 IC1.50 ; IC1.21 116.625,37.475 116.975,37.825 v1(116.975,37.9)
VDDPLL: C41.2 C42.1 C43.1 FB3.2 IC1.10 | length 45.8
  Top Layer w0.3: v1(103.8,32.275) 103.85,32.225 103.85,31.525 104.45,30.925 106.625,30.925 108.625,32.925 108.625,38.256 110.7,40.331 110.7,47.345 111.105,47.75 111.995,47.75 112.806,46.939 112.806,43.764 113.617,42.953 113.866,42.953 114.597,43.684 C42.1 117.066,43.825 C41.2 118.75,43.75 FB3.2
  Bottom Layer w0.3: v1(103.8,32.275) 105.4,33.875 IC1.10
VDDUSBPLL: C33.2 C34.1 C35.1 FB2.2 IC1.17 | length 12.9
  Top Layer w0.3: FB2.2 111.525,39.675 111.9,39.3 v1(113.775,39.3) ; FB2.2@111.525,40.8 111.525,42.584 C35.1 111.691,42.85 C34.1 111.55,45.066 C33.2
  Bottom Layer w0.3: v1(113.775,39.3) 114.625,38.45 IC1.17
Vin: C1.1 C3.1 C5.1 POWER.1 U1.1 U2.1 U3.1 | length 110.5
  Top Layer w0.3: 9.27,56.9 10.17,56.9 ; C3.1@14.825,62.455 C3.1 ; C5.1 C5.1@14.95,52.12 ; U1.1 34.725,37.55 32.65,39.625 32.65,43.72 34.9,45.97 34.9,50.55 U3.1@35.225,50.875 ; U3.1 U3.1@35.225,50.875 ; U2.1 35.225,64 32.35,61.125 32.35,53.75 U3.1@35.225,50.875
  Top Layer w0.5: 10.17,56.9 C5.1@14.95,52.12 ; C1.1 C1.1@14.775,38.82 ; C3.1@14.825,62.455 9.27,56.9 POWER.1 5,48.595 C1.1@14.775,38.82 ; U1.1@34.725,37.55 32.3,37.55 29.21,40.64 29.21,46.31 28.82,46.7 21.53,46.7 19.05,44.22 14.775,39.945 C1.1@14.775,38.82
VREF: C10.2 C11.2 R18.2 U4.21 | length 11.9
  Top Layer w0.3: U4.21 60.455,16.32 60.43,16.295 60.001,16.295 57.95,14.244 C10.2 C11.2 59.912,10.163 61.837,10.163 R18.2
pads on no net: CON1.3 CON5.1 CON5.8 CON5.9 CON5.MH1 CON5.MH2 ETHERNET. ETHERNET.R4 ETHERNET.R5 ETHERNET.R7 ETHERNET.R8 IC1.1 IC1.7 IC1.14 IC1.22 IC1.23 IC1.26 IC1.29 IC1.30 IC1.31 IC1.32 IC1.34 IC1.41 IC1.42 IC1.43 IC1.44 IC1.45 IC1.46 IC1.47 IC1.53 IC1.54 IC1.55 IC1.56 U4.1 U4.2 U4.3 U4.6 U4.7 U4.8 U4.9 U4.15 U4.23 U4.25 U4.26 U4.33 U4.34 U4.35 U4.36 U4.38 U4.39 U4.40 U4.41 U4.42 U4.43 U4.44 U4.45 U4.46 U4.47 U4.48 U4.54 U4.56 U4.57 U4.58 U4.59 U4.60 U4.61 U4.62 U4.67 U4.77 U4.78 U4.79 U4.80 U4.81 U4.82 U4.83 U4.84 U4.85 U4.86 U4.87 U4.88 U4.89 U4.90 U4.91 U4.95 U4.96 U4.97 U4.98

## Polygon pours and split planes (outlines as drawn)
GND on Top Layer "GND_L01_P023" (solid, remove dead copper, pour order 23): 0,0 135,0 135,78 0,78
3V3 on Top Layer "Top Layer-3V3" (solid, remove dead copper, pour order 9): 54.4,30.075 54.8,29.675 73.7,29.675 73.7,62.125 34.185,62.125 33.02,60.96 33.02,55.405 33.675,54.75 37.825,54.75 38.075,55 38.075,59.175 38.375,59.475 38.375,59.675 54.275,59.675 55.063,58.887 55.063,51.837 55.725,51.175 67.2,51.175 67.2,35.525 55.5,35.525 55.025,35.05 54.4,34.425
5V on Top Layer "Top Layer-5V" (solid, remove dead copper, pour order 22): 82.66,73 82.66,72.125 82.66,71.6 83.05,70.8 85.7,70.775 86.374,71.449 86.374,76.075 97.646,76.075 98.675,75.828 98.675,71.449 99.025,70.775 101.55,70.8 101.95,71.2 101.95,76.2 106.491,76.2 107.825,75.837 107.825,71.6 108.623,71.125 110.65,71.2 111.1,71.875 111.1,77.45 97.675,77.45 97.675,77.425 36.76,77.425 35.175,73.425 34.325,69.875 34.638,69.938 34.375,69.675 34.375,68.55 34.4,68.55 34.575,68.375 38.1,68.375 38.675,68.95 38.675,70.925 39.35,71.6 55.125,71.6 55.6,71.125 55.6,64.425 56.025,64 59.05,64 59.55,64.5 59.55,67.8 68.075,67.8 68.925,68.65 68.925,76.075 82.45,76.075
12V on Top Layer "12V_L01_P003" (solid, pour order 3): 65.268,40.728 65.903,40.728 66.4,40.728 66.65,40.9 66.95,41.155 66.95,46.676 66.175,47.75 38.425,47.75 38.425,47.65 37.525,46.75 37.525,43.75 34.075,43.75 33.65,43.325 33.65,42.025 34,41.675 37.2,41.675 37.62,41.795 38.325,42.5 38.325,45.525 38.6,45.8 54.35,45.8 55.65,44.5 55.65,38.125 56.15,37.625 62.075,37.625 65.125,40.675
3V3 on Top Layer "3V3_L01_P016" (solid, pour order 16): 110.829,21.125 110.829,19.076 110.963,18.854 116.375,18.854 116.375,19.227 118.058,19.227 118.058,18.854 118.405,19.227 119.328,20.15 121.15,20.15 121.25,20.25 128.675,12.825 132.2,12.825 132.25,12.775 133.125,13.65 133.35,13.65 133.35,16.575 133.4,16.625 133,17.025 129.425,17.025 125.125,21.325 125.125,26.95 124.85,27.225 113.075,27.225 111.075,25.225
GND on Bottom Layer "GND_L02_P024" (solid, remove dead copper, pour order 24): 0,0 135,0 135,78 0,78
3V3 on Bottom Layer "Bottom Layer-3V3" (solid, pour order 20): 103.725,63.325 103.725,53.125 102.075,49.35 88.6,40.35 80.2,37.175 66.524,37.175 63.75,34.401 63.75,30.125 63.225,29.6 61.75,29.6 61.178,30.172 61.419,46.887 90.992,66.575 102.075,66.575
3V3 on Bottom Layer "Bottom Layer-3V3_2" (solid, pour order 18): 121.381,27.762 122.787,27.762 127.713,27.762 128.675,28.6 128.675,37.875 129.275,38.475 130.35,38.475 130.475,38.525 130.825,38.175 130.825,28.95 128.675,26.8 125.5,26.8 125.5,21.05 129.425,17.125 132.8,17.125 132.8,16.95 133.15,16.6 133.2,16.65 133.2,14.475 132.4,13.675 128.64,13.675 123.174,18.29 120.993,20.471 120.993,27.375

## Silkscreen, mask and mechanical layers (free items; w line width, h text height)
Top Overlay:
  lines w0.254: 75,38 104.5,38 104.5,48.5 75,48.5 75,38
  text "GND" at 71.954,68.829 h1
  text "TEMP" at 78.779,68.829 h1
  text "5V" at 83.579,68.829 h1
  text "A" at 96.429,68.779 h1
  text "GND" at 88.204,68.729 h1
  text "B" at 93.029,68.704 h1
  text "5V" at 99.854,68.704 h1
  text "GND" at 104.729,68.679 h1
  text "12V" at 2.179,52.179 h1.52
  text "★★ EEHACKER ★★ / https://eehacker.kr / 이남윤의 전자공학연구실" at 76.314,37.677 h2.4
  text "GND" at 123.729,27.154 h1
  text "SDA" at 123.304,20.404 h1
  text "SCL" at 123.304,17.879 h1
  text "3.3V" at 123.179,15.454 h1
  text "SD-Card" at 125.154,11.546 h1.52 r270
  text "GND" at 34.554,8.504 h1
  text "PUMP" at 18.679,8.479 h1
  text "S-VALV" at 6.154,8.429 h1
  text "CAN-H" at 93.104,7.854 h1
  text "CAN-L" at 98.679,7.829 h1
Bottom Overlay:
  text "www.eehacker.kr / By EEHACKER" at 103.656,12.836 h2.4

## Text inside footprints (layer, text, board x,y; h text height)
C1: Top Overlay "+" at 10.775,37.15 h1 r180
C2: Top Overlay "+" at 69.256,44.181 h2.8
C3: Top Overlay "+" at 10.825,63.325 h1 r180
C4: Top Overlay "+" at 69.781,71.331 h2.8
C5: Top Overlay "+" at 10.95,50.45 h1 r180
C6: Top Overlay "+" at 69.781,58.306 h2.8
D4: Top Overlay "+" at 49.851,1.1 h1 r180
D5: Top Overlay "+" at 49.749,6.517 h1 r180
D6: Top Overlay "+" at 49.639,3.842 h1 r180
L1: Top Overlay "33uH" at 50.275,43.1 h1 r270; Top Overlay "SMD1280" at 52.775,44.1 h1 r270
L2: Top Overlay "33uH" at 50.125,69.6 h1 r270; Top Overlay "SMD1280" at 52.625,70.6 h1 r270
L3: Top Overlay "33uH" at 49.85,56.6 h1 r270; Top Overlay "SMD1280" at 52.35,57.6 h1 r270
P1: Top Overlay "1" at 69.55,33.15 h1; Top Overlay "2" at 69.4,30.375 h1; Top Overlay "5" at 59.95,32.875 h1; Top Overlay "6" at 60.1,30.35 h1; Mechanical 29 "1" at 69.849,34.028 h1 r180; Mechanical 29 "2" at 70.23,31.488 h1 r180; Mechanical 29 "5" at 60.832,34.028 h1 r180; Mechanical 29 "6" at 60.959,31.488 h1 r180
SW2: Top Overlay "4" at 87.6,21.25 h1; Top Overlay "3" at 87.6,20.05 h1; Top Overlay "2" at 87.625,18.8 h1; Top Overlay "1" at 87.675,17.55 h1